# Altium PCB DM3390.PcbDoc (part 1 of 5) (continued)
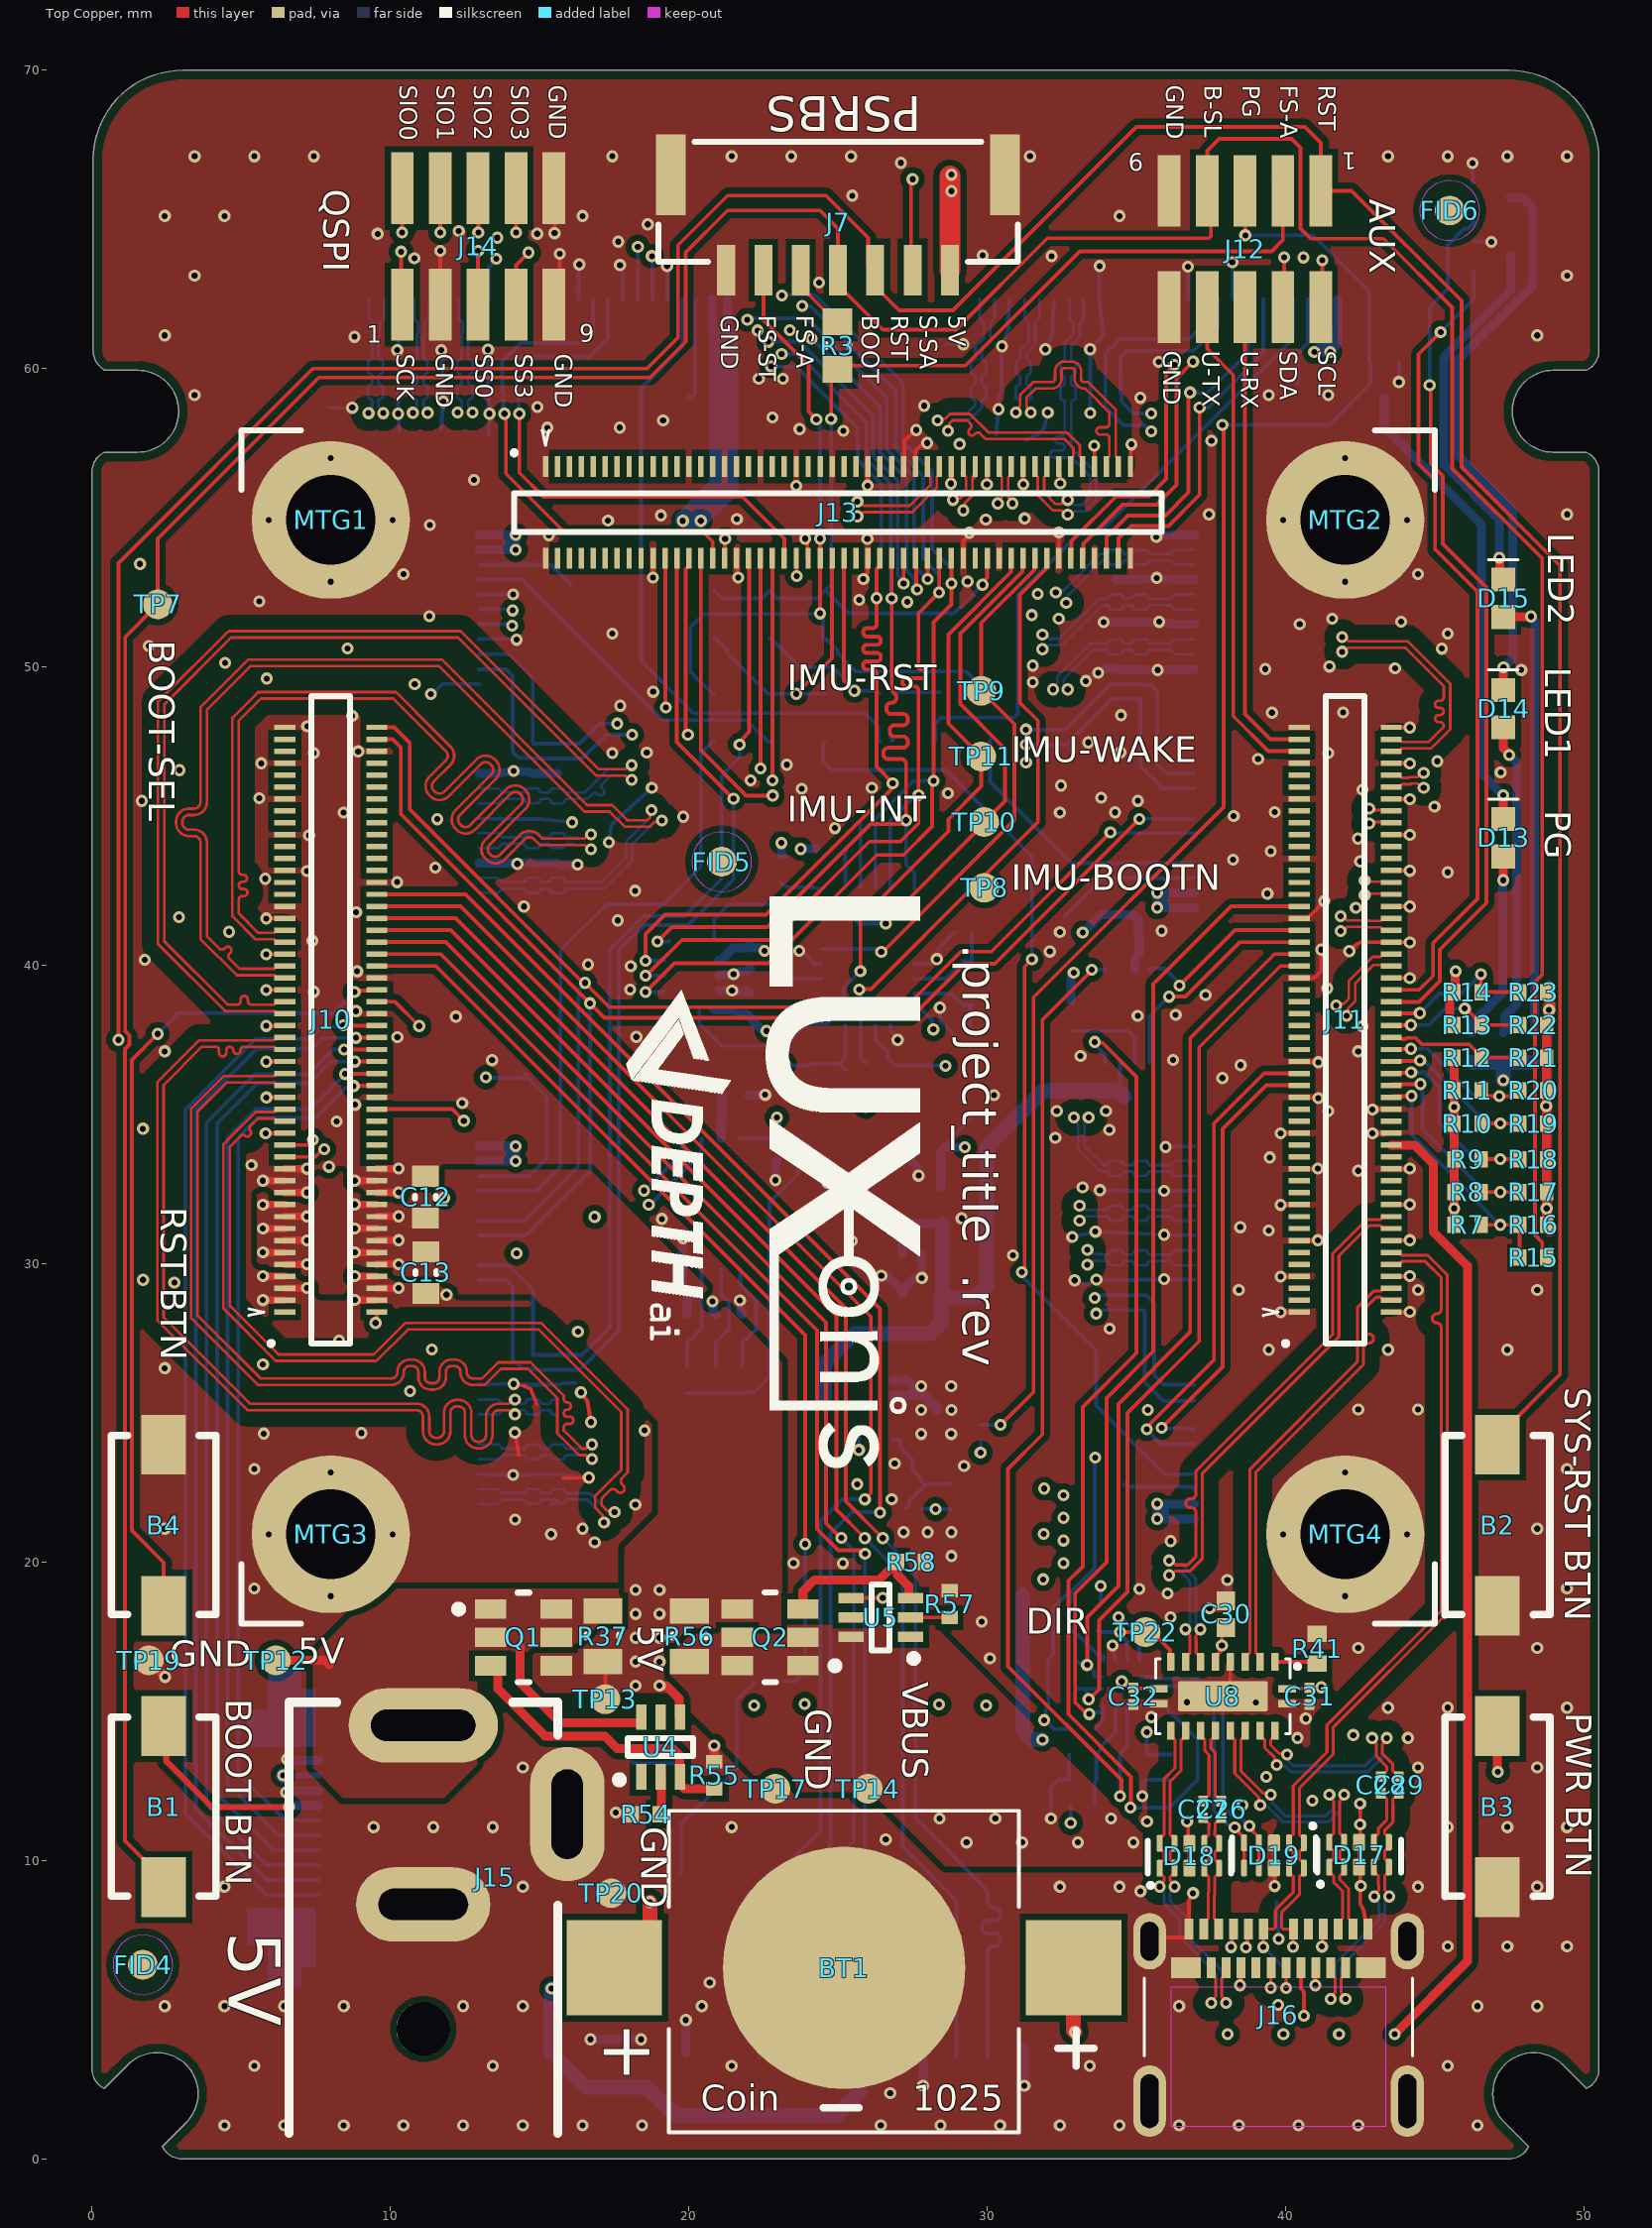
[diagram p0: Top Copper view]
## Classes and differential pairs
net class SPI1: BNO08x_CIPO_1V8 BNO08x_COPI_1V8 BNO08x_CS_1V8 BNO08x_SCK_1V8 SPI_SIO2 SPI_SIO3 SPI_SS_0
differential pair class USB3: RXB RXC TXB TXB1 TXC TXC1 USB_D USB_RX USB_TX
differential pair class 100ohm: MIPI_RX0__C MIPI_RX0__D0 MIPI_RX0__D1 MIPI_RX0_C MIPI_RX0_D0 MIPI_RX0_D1 MIPI_RX1_C MIPI_RX1_D0 MIPI_RX1_D1 MIPI_RX1C MIPI_RX1D0 MIPI_RX1D1 MIPI_RX2_C MIPI_RX2_D0 MIPI_RX2_D1 MIPI_RX3_C MIPI_RX3_D0 MIPI_RX3_D1 MIPI_RX4_C MIPI_RX4_D0 MIPI_RX4_D1 MIPI_RX5_C MIPI_RX5_D0 MIPI_RX5_D1
differential pair class 90ohm: USB_D USB_RX USB_TX
net class SDIO: SD_HST0_CLK SD_HST0_CMD SD_HST0_D0 SD_HST0_D1 SD_HST0_D2 SD_HST0_D3
net class Power_trace: 1V8 3V3 5V GND LX1 NetJ15_1 VBUS
net class MIPI_CAM_C2: MIPI_RX3_C_N MIPI_RX3_C_P MIPI_RX3_D0_N MIPI_RX3_D0_P MIPI_RX3_D1_N MIPI_RX3_D1_P
net class MIPI_CAM_C1: MIPI_RX2_C_N MIPI_RX2_C_P MIPI_RX2_D0_N MIPI_RX2_D0_P MIPI_RX2_D1_N MIPI_RX2_D1_P
net class MIPI_CAM_B2: MIPI_RX1_C_N MIPI_RX1_C_P MIPI_RX1_D0_N MIPI_RX1_D0_P MIPI_RX1_D1_N MIPI_RX1_D1_P
net class MIPI_CAM_B1: MIPI_RX0__C_N MIPI_RX0__C_P MIPI_RX0__D0_N MIPI_RX0__D0_P MIPI_RX0__D1_N MIPI_RX0__D1_P
net class MIPI_CAM_A2: MIPI_RX5_C_N MIPI_RX5_C_P MIPI_RX5_D0_N MIPI_RX5_D0_P MIPI_RX5_D1_N MIPI_RX5_D1_P
net class MIPI_CAM_A1: MIPI_RX4_C_N MIPI_RX4_C_P MIPI_RX4_D0_N MIPI_RX4_D0_P MIPI_RX4_D1_N MIPI_RX4_D1_P
component class U_DM3390_USB: C24 C25 C26 C27 C28 C29 C30 C31 C32 C33 C34 C35 C36 D17 D18 D19 J16 R40 R41 R42 R43 R44 R45 R46 R47 R48 R49 R50 R51 R52 R53 TP22 U8 U9 U10
component class U_DM3390_Power_Supply: C12 C13 C15 C16 C17 C18 C19 C20 C21 C22 C23 J15 L1 Q1 Q2 R37 R38 R39 R54 R55 R56 R57 R58 TP12 TP13 TP14 TP15 TP16 TP17 TP18 TP19 TP20 U4 U5 U6 U7
component class U_DM3390_IMU: C3 C4 C5 C6 C7 C8 C9 C10 C11 R34 R35 R36 TP8 TP9 TP10 TP11 U2 U3 Y1
component class U_DM3390_EEPROM: C2 R27 R28 R29 R30 R31 R32 R33 U1
component class U_DM3390_Connector_C: J13 J14
component class U_DM3390_Connector_B: D14 D15 J11 J12 M2 M3 R25 R26
component class U_DM3390_Connector_A: B2 B3 B4 BT1 D13 J10 M1 R24
component class U_DM3390_CAM_FFC_MIPI_2LANE: J1 J2 J3 J4 J5 J6 J7 R1 R2 R3 R4 R59 R60 R61 R62 R63 R64 TP1 TP2 TP3 TP4 TP5 TP6
component class U_DM3390_CAM_FFC_ESD_AUX: D1 D2 D3 D4 D5 D6 D7 D8 D9 D10 D11 D12
component class U_DM3390_BOOT_JTAG_SD: B1 C1 J8 J9 R5 R6 R7 R8 R9 R10 R11 R12 R13 R14 R15 R16 R17 R18 R19 R20 R21 R22 R23 TP7
component class DM3390_TopLevel: FID1 FID2 FID3 FID4 FID5 FID6 MTG1 MTG2 MTG3 MTG4
differential pair MIPI_RX1_D1: +MIPI_RX1_D1_P -MIPI_RX1_D1_N
differential pair MIPI_RX1_D0: +MIPI_RX1_D0_P -MIPI_RX1_D0_N
differential pair MIPI_RX1_C: +MIPI_RX1_C_P -MIPI_RX1_C_N
differential pair MIPI_RX0__D1: +MIPI_RX0__D1_P -MIPI_RX0__D1_N
differential pair MIPI_RX0__D0: +MIPI_RX0__D0_P -MIPI_RX0__D0_N
differential pair MIPI_RX0__C: +MIPI_RX0__C_P -MIPI_RX0__C_N
differential pair USB_TX: +USB_TX_P -USB_TX_N
differential pair USB_RX: +USB_RX_P -USB_RX_N
differential pair USB_D: +USB_D_P -USB_D_N
differential pair TXC: +TXC_P -TXC_N
differential pair TXC1: +TXC1_P -TXC1_N
differential pair TXB: +TXB_P -TXB_N
differential pair TXB1: +TXB1_P -TXB1_N
differential pair RXC: +RXC_P -RXC_N
differential pair RXB: +RXB_P -RXB_N
differential pair MIPI_RX5_D1: +MIPI_RX5_D1_P -MIPI_RX5_D1_N
differential pair MIPI_RX5_D0: +MIPI_RX5_D0_P -MIPI_RX5_D0_N
differential pair MIPI_RX5_C: +MIPI_RX5_C_P -MIPI_RX5_C_N
differential pair MIPI_RX4_D1: +MIPI_RX4_D1_P -MIPI_RX4_D1_N
differential pair MIPI_RX4_D0: +MIPI_RX4_D0_P -MIPI_RX4_D0_N
differential pair MIPI_RX4_C: +MIPI_RX4_C_P -MIPI_RX4_C_N
differential pair MIPI_RX3_D1: +MIPI_RX3_D1_P -MIPI_RX3_D1_N
differential pair MIPI_RX3_D0: +MIPI_RX3_D0_P -MIPI_RX3_D0_N
differential pair MIPI_RX3_C: +MIPI_RX3_C_P -MIPI_RX3_C_N
differential pair MIPI_RX2_D1: +MIPI_RX2_D1_P -MIPI_RX2_D1_N
differential pair MIPI_RX2_D0: +MIPI_RX2_D0_P -MIPI_RX2_D0_N
differential pair MIPI_RX2_C: +MIPI_RX2_C_P -MIPI_RX2_C_N

## Components (designator, comment, footprint, x,y, rotation, side; value= is the part's Value field where it differs from the comment)
B1 "Off-Mom, 50mA" DTSM-32N-V 2.4,11.8 r270 top
B2 "Off-Mom, 50mA" DTSM-32N-V 47.1,21.237 r90 top
B3 "Off-Mom, 50mA" DTSM-32N-V 47.1,11.8 r90 top
B4 "Off-Mom, 50mA" DTSM-32N-V 2.4,21.237 r270 top
BT1 "BK-870" MPD_BK-870 25.2,6.4 r0 top
C1 "4.7uF 0603" CAPC0603(1608)100_N 17.6,3.2 r270 bottom
C2 "0.1uF 0402" CAPC0402(1005)70_L 22.95,33.85 r90 bottom
C3 "10uF 0603" CAPC0603(1608)100_L 27.85,35.95 r90 bottom
C4 "0.1uF 0402" CAPC0402(1005)70_L 26.85,36.3 r90 bottom
C5 "10uF 0603" CAPC0603(1608)100_L 24,35.95 r90 bottom
C6 "0.1uF 0402" CAPC0402(1005)70_L 25.05,36.3 r90 bottom
C7 "0.1uF 0402" CAPC0402(1005)70_L 23.1,39.95 r90 bottom
C8 "18pF 0201" CAPC0201(0603)33_L 29.2,41.1 r0 bottom
C9 "18pF 0201" CAPC0201(0603)33_L 29.15,37.7 r0 bottom
C10 "0.1uF 0402" CAPC0402(1005)70_L 22.05,38.65 r270 bottom
C11 "0.1uF 0402" CAPC0402(1005)70_L 22.05,40.3 r90 bottom
C12 "22uF 0603" CAPC0603(1608)100_L 11.176,32.231 r270 top
C13 "22uF 0603" CAPC0603(1608)100_L 11.187,29.701 r90 top
C15 "2.2uF 0402" CAPC0402(1005)70_L 25.9,25.8 r90 bottom
C16 "22uF 0603" CAPC0603(1608)100_L 25.7,23.8 r270 bottom
C17 "22uF 0603" CAPC0603(1608)100_L 30.5,22.5 r180 bottom
C18 "22uF 0603" CAPC0603(1608)100_L 30.5,21.3 r180 bottom
C19 "22uF 0603" CAPC0603(1608)100_L 30.494,20.118 r180 bottom
C20 "22uF 0603" CAPC0603(1608)100_L 30.5,18.9 r180 bottom
C21 "33pF 0201" CAPC0201(0603)33_L 27.55,21.8 r0 bottom
C22 "10uF 0603" CAPC0603(1608)100_L 27.85,29 r0 bottom
C23 "10uF 0603" CAPC0603(1608)100_L 27.85,33.85 r0 bottom
C24 "10uF 0402" CAPC0402(1005)70_N 38.7,2.7 r90 bottom
C25 "10uF 0402" CAPC0402(1005)70_N 40.05,2.7 r90 bottom
C26 "0.1uF 0201" CAPC0201(0603)33_L 37.842,11.707 r90 top
C27 "0.1uF 0201" CAPC0201(0603)33_L 37.231,11.707 r90 top
C28 "0.1uF 0201" CAPC0201(0603)33_L 43.193,12.53 r90 top
C29 "0.1uF 0201" CAPC0201(0603)33_L 43.793,12.53 r90 top
C30 "10uF 0402" CAPC0402(1005)70_N 38,18.25 r270 top
C31 "0.1uF 0201" CAPC0201(0603)33_L 40.8,15.5 r90 top
C32 "0.1uF 0201" CAPC0201(0603)33_L 34.9,15.5 r90 top
C33 "1uF 0402" CAPC0402(1005)70_L 33.2,11.85 r0 bottom
C34 "10uF 0402" CAPC0402(1005)70_L 35.1,18.2 r270 bottom
C35 "0.1uF 0402" CAPC0402(1005)70_L 34.7,41 r0 bottom
C36 "0.1uF 0402" CAPC0402(1005)70_L 35,35.6 r180 bottom
D1 "TPD4E02B04DQAR" TPD4E02B04DQAR 15.195,25.945 r270 bottom locked
D2 "TPD4E02B04DQAR" TPD4E02B04DQAR 15.184,46.43 r270 bottom locked
D3 "TPD4E02B04DQAR" TPD4E02B04DQAR 13.248,59.639 r180 bottom locked
D4 "TPD4E02B04DQAR" TPD4E02B04DQAR 15.195,22.945 r270 bottom locked
D5 "TPD4E02B04DQAR" TPD4E02B04DQAR 15.184,43.43 r270 bottom locked
D6 "TPD4E02B04DQAR" TPD4E02B04DQAR 10.248,59.639 r180 bottom locked
D7 "TPD4E02B04DQAR" TPD4E02B04DQAR 34.721,49.93 r90 bottom locked
D8 "TPD4E02B04DQAR" TPD4E02B04DQAR 34.731,29.445 r90 bottom locked
D9 "TPD4E02B04DQAR" TPD4E02B04DQAR 33.46,59.598 r180 bottom locked
D10 "TPD4E02B04DQAR" TPD4E02B04DQAR 34.729,52.93 r90 bottom locked
D11 "TPD4E02B04DQAR" TPD4E02B04DQAR 34.731,32.445 r90 bottom locked
D12 "TPD4E02B04DQAR" TPD4E02B04DQAR 30.46,59.619 r180 bottom locked
D13 "GREEN 0603" SML_D1xx8W 47.3,44.275 r270 top
D14 "WHITE 0603" SML_D1xx8W 47.3,48.6 r270 top
D15 "BLUE 0603" SML_D1xx8W 47.3,52.3 r270 top
D17 "TPD4E02B04DQAR" TPD4E02B04DQAR 42.467,10.188 r0 top
D18 "TPD4E02B04DQAR" TPD4E02B04DQAR 36.775,10.152 r0 top
D19 "TPD4E02B04DQAR" TPD4E02B04DQAR 39.611,10.164 r180 top
FID1 "FIDUCIAL_ROUND_1MM" FIDUCIAL_ROUND_1MM 5.2,61.2 r90 bottom
FID2 "FIDUCIAL_ROUND_1MM" FIDUCIAL_ROUND_1MM 39.1,52.1 r90 bottom
FID3 "FIDUCIAL_ROUND_1MM" FIDUCIAL_ROUND_1MM 8.1,3.6 r90 bottom
FID4 "FIDUCIAL_ROUND_1MM" FIDUCIAL_ROUND_1MM 1.7,6.5 r90 top
FID5 "FIDUCIAL_ROUND_1MM" FIDUCIAL_ROUND_1MM 21.103,43.472 r90 top
FID6 "FIDUCIAL_ROUND_1MM" FIDUCIAL_ROUND_1MM 45.5,65.3 r90 top
J1 "FLEX CONNECTOR, 0.50MM PITCH, HE" F32R-1A7H1-11026 12.285,48.18 r90 bottom locked
J2 "FLEX CONNECTOR, 0.50MM PITCH, HE" F32R-1A7H1-11026 15.037,63 r0 bottom locked
J3 "FLEX CONNECTOR, 0.50MM PITCH, HE" F32R-1A7H1-11026 12.285,27.695 r90 bottom locked
J4 "FLEX CONNECTOR, 0.50MM PITCH, HE" F32R-1A7H1-11026 37.611,48.18 r270 bottom locked
J5 "FLEX CONNECTOR, 0.50MM PITCH, HE" F32R-1A7H1-11026 37.611,27.695 r270 bottom locked
J6 "FLEX CONNECTOR, 0.50MM PITCH, HE" F32R-1A7H1-11026 35.5,63 r0 bottom locked
J7 "SM07B-GHS-TB" SM07B-GHS-TB 25,64.9 r180 top
J8 "SFV10R-2STE1HLF Top Contact" SFV10R-2STE1HLF 7.1,11.1 r90 bottom
J9 "uSD push/pull" 104031-0811 25.482,8.821 r180 bottom
J10 "DF40C-100DP-0.4V Header" CON_A_SoM-MAX_DF40HC-3.0-100DS-0.4V_minpad 25,37.931 r0 top locked
J11 "DF40C-100DP-0.4V Header" CON_B_SoM-MAX_DF40HC-3.0-100DS-0.4V_minpad 25,37.931 r0 top locked
J12 "20021121-00010T1LF" 20021121-00010T1LF 38.642,64.009 r180 top
J13 "DF40C-100DP-0.4V Header" CON_C_SoM-MAX_DF40HC-3.0-100DS-0.4V_minpad 25,37.931 r0 top locked
J14 "20021121-00010T1LF" 20021121-00010T1LF 12.937,64.097 r0 top
J15 "PJ-050AH or NEB21R" PJ-050AH/NEB21R_COMBO 11.1,8.5 r0 top
J16 "USB3.1 TYPEC 24P SMD RA" 105450-0101 39.762,7.049 r0 top
L1 "1uH, 3.2A, 20%" DFE252012P-1R0M=P2 31.688,24.675 r270 bottom
M1 "RE1C002UNTCL" RE1C002UNTCL 43.3,59.599 r0 bottom
M2 "RE1C002UNTCL" RE1C002UNTCL 46.921,65.726 r90 bottom
M3 "RE1C002UNTCL" RE1C002UNTCL 46.921,63.776 r90 bottom
MTG1 "M2, 3MM steel spacer on M2.5 mounting pad" 9774030243R 8,54.931 r90 top
MTG2 "M2, 3MM steel spacer on M2.5 mounting pad" 9774030243R 42,54.931 r90 top
MTG3 "M2, 3MM steel spacer on M2.5 mounting pad" 9774030243R 8,20.931 r180 top
MTG4 "M2, 3MM steel spacer on M2.5 mounting pad" 9774030243R 42,20.931 r180 top
Q1 "IRLTS2242TRPBF" TSOP-6-MFG 14.457,17.472 r0 top
Q2 "IRLTS2242TRPBF" TSOP-6-MFG 22.725,17.473 r180 top
R1 "0R 0603" RESC0603(1608)_N 24.55,51.75 r270 bottom
R2 "0R 0603" RESC0603(1608)_N 20.85,51.75 r270 bottom
R3 "0R 0603" RESC0603(1608)_N 24.98,60.77 r90 top
R4 "0R 0603" RESC0603(1608)_N 22.7,51.75 r270 bottom
R5 "0R 0402" RESC0402(1005)_N 22.676,15.992 r0 bottom
R6 "0R 0402" RESC0402(1005)_N 18.1,12.8 r90 bottom
R7 "1K 0402" RESC0402(1005)_L 46.1,31.3 r180 top
R8 "1K 0402" RESC0402(1005)_L 46.1,32.4 r180 top
R9 "1K 0402" RESC0402(1005)_L 46.1,33.5 r180 top
R10 "1K 0402" RESC0402(1005)_L 46.1,34.7 r180 top
R11 "1K 0402" RESC0402(1005)_L 46.1,35.8 r180 top
R12 "1K 0402" RESC0402(1005)_L 46.1,36.9 r180 top
R13 "1K 0402" RESC0402(1005)_L 46.1,38 r180 top
R14 "1K 0402" RESC0402(1005)_L 46.1,39.1 r180 top
R15 "0R 0402" RESC0402(1005)_L 48.3,30.2 r0 top
R16 "10K 0402" RESC0402(1005)_L 48.3,31.3 r0 top
R17 "10K 0402" RESC0402(1005)_L 48.3,32.4 r0 top
R18 "10K 0402" RESC0402(1005)_L 48.3,33.5 r0 top
R19 "10K 0402" RESC0402(1005)_L 48.3,34.7 r0 top
R20 "10K 0402" RESC0402(1005)_L 48.3,35.8 r0 top
R21 "10K 0402" RESC0402(1005)_L 48.3,36.9 r0 top
R22 "10K 0402" RESC0402(1005)_L 48.3,38 r0 top
R23 "10K 0402" RESC0402(1005)_L 48.3,39.1 r0 top
R24 "1K 0402" RESC0402(1005)_N 46.25,37.25 r270 bottom
R25 "1K 0402" RESC0402(1005)_N 47.3,37.25 r270 bottom
R26 "1K 0402" RESC0402(1005)_N 48.35,37.25 r270 bottom
R27 "10K 0402" RESC0402(1005)_L 21.8,26.1 r270 bottom
R28 "10K 0402" RESC0402(1005)_L 20.9,26.1 r270 bottom
R29 "10K 0402" RESC0402(1005)_L 19.95,26.1 r270 bottom
R30 "1K 0402" RESC0402(1005)_L 21.55,35.65 r180 bottom
R31 "10K 0402" RESC0402(1005)_L 21.8,27.85 r270 bottom
R32 "10K 0402" RESC0402(1005)_L 20.9,27.85 r270 bottom
R33 "10K 0402" RESC0402(1005)_L 19.95,27.85 r270 bottom
R34 "10K 0402" RESC0402(1005)_L 25.95,36.3 r270 bottom
R35 "2.2K 0402" RESC0402(1005)_L 23.1,43.2 r270 bottom
R36 "2.2K 0402" RESC0402(1005)_L 24.7,43.9 r0 bottom
R37 "0R 0805" RESC0805(2012)_L 17.117,17.512 r270 top
R38 "90.9K 0402" RESC0402(1005)_L 28.8,22.2 r270 bottom
R39 "20K 0402" RESC0402(1005)_L 27.45,22.6 r0 bottom
R40 "10K 0402" RESC0402(1005)_N 41.3,2.7 r90 bottom
R41 "10K 0402" RESC0402(1005)_N 41.05,17.1 r90 top
R42 "10K 0402" RESC0402(1005)_L 33.8,18.2 r90 bottom
R43 "10K 0402" RESC0402(1005)_L 36.6,13.55 r180 bottom
R44 "10K 0402" RESC0402(1005)_L 34.9,13.55 r0 bottom
R45 "10K 0402" RESC0402(1005)_L 36.6,12.7 r180 bottom
R46 "10K 0402" RESC0402(1005)_L 34.9,12.7 r0 bottom
R47 "1.8MR 0402" RESC0402(1005)_L 33.2,12.7 r0 bottom
R48 "1.8MR 0402" RESC0402(1005)_L 33.2,13.55 r0 bottom
R49 "10K 0402" RESC0402(1005)_L 32.8,18.2 r90 bottom
R50 "10K 0402" RESC0402(1005)_L 33.2,14.4 r180 bottom
R51 "10K 0402" RESC0402(1005)_L 32.5,15.85 r180 bottom
R52 "10K 0402" RESC0402(1005)_L 32.5,16.75 r180 bottom
R53 "10K 0402" RESC0402(1005)_N 32.8,38.3 r90 bottom
R54 "100K 0402" RESC0402(1005)_L 18.55,11.55 r0 top
R55 "1M 0402" RESC0402(1005)_L 20.85,12.85 r270 top
R56 "0R 0805" RESC0805(2012)_L 20.018,17.512 r90 top
R57 "100K 0402" RESC0402(1005)_L 28.741,18.587 r270 top
R58 "1M 0402" RESC0402(1005)_L 27.446,20.006 r180 top
R59 "0R 0603" RESC0603(1608)_N 22.7,48.3 r270 bottom
R60 "0R 0603" RESC0603(1608)_N 26.4,48.3 r270 bottom
R61 "0R 0603" RESC0603(1608)_N 20.85,48.3 r270 bottom
R62 "0R 0603" RESC0603(1608)_N 30.1,48.3 r270 bottom
R63 "0R 0603" RESC0603(1608)_N 24.55,48.3 r270 bottom
R64 "0R 0603" RESC0603(1608)_N 28.25,48.3 r270 bottom
TP1 "TP100_200_NS" TP100_200_NS 16.1,52.9 r0 bottom
TP2 "TP100_200_NS" TP100_200_NS 20.05,59 r270 bottom
TP3 "TP100_200_NS" TP100_200_NS 14.5,36.2 r270 bottom
TP4 "TP100_200_NS" TP100_200_NS 34.6,22.6 r0 bottom
TP5 "TP100_200_NS" TP100_200_NS 40.4,59.5 r270 bottom
TP6 "TP100_200_NS" TP100_200_NS 32.85,42 r270 bottom
TP7 "TP100_200_NS" TP100_200_NS 2.2,52.1 r270 top
TP8 "TP100_200_NS" TP100_200_NS 29.9,42.6 r270 top
TP9 "TP100_200_NS" TP100_200_NS 29.8,49.2 r270 top
TP10 "TP100_200_NS" TP100_200_NS 29.9,44.8 r0 top
TP11 "TP100_200_NS" TP100_200_NS 29.8,47 r0 top
TP12 "TP100_200_NS" TP100_200_NS 6.16,16.7 r270 top
TP13 "TP100_200_NS" TP100_200_NS 17.2,15.4 r270 top
TP14 "TP100_200_NS" TP100_200_NS 26,12.4 r270 top
TP15 "TP075_150_NS" TP075_150_NS 31.2,17.573 r270 bottom
TP16 "TP100_200_NS" TP100_200_NS 29.45,34.9 r270 bottom
TP17 "TP100_200_NS" TP100_200_NS 22.9,12.4 r270 top
TP18 "TP100_200_NS" TP100_200_NS 30.7,36.7 r180 bottom
TP19 "TP100_200_NS" TP100_200_NS 1.9,16.7 r270 top
TP20 "TP100_200_NS" TP100_200_NS 17.4,8.9 r0 top
TP22 "TP100_200_NS" TP100_200_NS 35.308,17.65 r270 top
U1 "24AA32A-I/MS 8-MSOP" 24AA32A-I/MS 20.75,32 r90 bottom
U2 "BNO085" BNO085 26,40.3 r0 bottom
U3 "BMI270" XDCR_BMI270 20.1,39.662 r270 bottom
U4 "Ideal diode controller" DZDH0401DW 19.05,13.8 r90 top
U5 "Ideal diode controller" DZDH0401DW 26.432,18.142 r180 top
U6 "TPS51313DRCR" VSON-TPS51313DRCR 28.316,25.087 r0 bottom
U7 "TLV70018DCK" TLV70018DCK 27.8,31.45 r180 bottom
U8 "USB Type-C Switch" CBTL02043A 37.9,15.5 r270 top
U9 "USB Type-C Port Control" TUSB321RWBR 34.5,15.95 r90 bottom
U10 "TXS0102DCU" TXS0102DCUR 34.7,38.3 r270 bottom
Y1 "ABS06-127-32.768KHZ-T" ABS06-127-32.768KHZ-T 29.5,39.4 r90 bottom

## Footprints (in the part's own frame and the unit in brackets; to place one, negate y for a bottom-side part, rotate by r counter-clockwise, add the part's x,y. Pads: shape width x height; smd on the part's side, far side on the other; paste and mask are expansions set on the pad)
24AA32A-I/MS [mm] "Body: 3 x 3mm, pitch: 0.65mm"
  rect 1.4x0.35 smd mask+0.05: 1(-2.2,0.975)
  oval 1.4x0.35 smd mask+0.05: 2(-2.2,0.325) 3(-2.2,-0.325) 4(-2.2,-0.975) 5(2.2,-0.975) 6(2.2,-0.325) 7(2.2,0.325) 8(2.2,0.975)
  silkscreen extent -2.32,-1.5 1.2,1.73, body extent -2.45,-1.5 2.45,1.5, height 1.15
104031-0811 [mm] "10 (8 + 2) Position Card Connector Secure Digital - microSD™ Surface Mount, Right Angle Gold"
  rect 0.85x1.1 smd: 1(3.113,-5.412) 3(0.913,-5.412) 4(-0.188,-5.412) 5(-1.288,-5.412) 6(-2.387,-5.412) 7(-3.487,-5.412)
  rect 0.875x1.1 smd: 2(2.013,-5.412)
  rect 0.75x1.1 smd: 8(-4.537,-5.412)
  rect 1.2x1 smd: 9(5.748,0.738) 10(5.748,4.438)
  rect 1.9x1.35 smd: 11(2.248,5.413) 12(-3.722,5.413)
  rect 1.17x1.8 smd: 13(-5.747,-5.062)
  rect 1.55x1.35 smd: 14(5.573,-5.287)
  body extent -5.95,-5.65 6,5.75, height 1.44
105450-0101 [mm] "USB3.1 Type-C Molex SMT, RA, TH"
  rect 0.3x0.7 smd mask+0.05: A1(-3,0.65) A2(-2.5,0.65) A3(-2,0.65) A4(-1.5,0.65) A5(-1,0.65) A6(-0.5,0.65) A7(0.5,0.65) A8(1,0.65) A9(1.5,0.65) A10(2,0.65) A11(2.5,0.65) A12(3,0.65) B2(2.25,-0.65) B3(1.75,-0.65) B4(1.25,-0.65) B5(0.75,-0.65) B6(0.25,-0.65) B7(-0.25,-0.65) B8(-0.75,-0.65) B9(-1.25,-0.65) B10(-1.75,-0.65) B11(-2.25,-0.65)
  rect 1x0.7 smd mask+0.05: B1(3.1,-0.65) B12(-3.1,-0.65)
  oval 1.1x1.9 hole 0.6 slot 1.3 at 90 deg mask+0.05: SH1(-4.32,0.24) SH4(4.32,0.24)
  oval 1.1x2.4 hole 0.6 slot 1.8 at 90 deg mask+0.05: SH2(-4.32,-5.12) SH3(4.32,-5.12)
  Top Copper keep-out region: -3.6,-5.95 3.6,-5.95 3.6,-1.3 -3.6,-1.3
  silkscreen extent -4.5,-3.6 4.5,-1, body extent -4.47,-7.02 4.47,0.88, height 3.2
20021121-00010T1LF [mm] "Connector Header Surface Mount 10 position 0.050\" (1.27mm)   Contact length: 0.120\" (3.05mm)"
  rect 0.76x2.4 smd: 1(-2.54,-1.95) 2(-2.54,1.95) 3(-1.27,-1.95) 4(-1.27,1.95) 5(0,-1.95) 6(0,1.95) 7(1.27,-1.95) 8(1.27,1.95) 9(2.54,-1.95) 10(2.54,1.95)
  body extent -3.18,-2.75 3.17,2.75, height 4.55
9774030243R [mm] "STANDOFF_M2X0.4_3MM with no pad on bottom of PCB"
  round 5.3 / inner round 2.7 / far side round 2.7 hole 3 mask+0.05: 1(0,0)
  body extent -2.17,-2.17 2.18,2.17, height 3.05
ABS06-127-32.768KHZ-T [mm] "2-SMD 0.079\" L x 0.047\" W (2.00mm x 1.20mm)"
  rect 0.75x1.4 smd: 1(-0.73,0) 2(0.73,0)
  body extent -1,-0.6 1,0.6, height 0.65
BNO085 [mm] "28-TFLGA Module (5.2x3.8)"
  rect 0.675x0.25 smd paste+0 mask+0: 1(1.562,2.25) 6(-1.562,2.25) 7(-1.562,1.75) 8(-1.562,1.25) 9(-1.562,0.75) 10(-1.562,0.25) 11(-1.562,-0.25) 12(-1.562,-0.75) 13(-1.562,-1.25) 14(-1.562,-1.75) 15(-1.562,-2.25) 20(1.562,-2.25) 21(1.562,-1.75) 22(1.562,-1.25) 23(1.562,-0.75) 24(1.562,-0.25) 25(1.562,0.25) 26(1.562,0.75) 27(1.562,1.25) 28(1.562,1.75)
  rect 0.25x0.575 smd paste+0 mask+0: 2(0.75,2.312) 3(0.25,2.312) 4(-0.25,2.312) 5(-0.75,2.312) 16(-0.75,-2.312) 17(-0.25,-2.312) 18(0.25,-2.312) 19(0.75,-2.312)
  silkscreen extent -2.3,-3.08 3.05,3.08, body extent -1.9,-2.6 1.9,2.6, height 1.18
CAPC0201(0603)33_L [mm] "Chip Capacitor, Body 0.6x0.3mm, Height 0.33mm, IPC High Density"
  rect 0.36x0.32 smd: 1(-0.28,0) 2(0.28,0)
  body extent -0.32,-0.17 0.32,0.17, height 0.33
CAPC0402(1005)70_L [mm] "Chip Capacitor, Body 1.0x0.5mm, Height 0.7mm, IPC High Density"
  rect 0.52x0.52 smd: 1(-0.4,0) 2(0.4,0)
  body extent -0.55,-0.3 0.55,0.3, height 0.7
CAPC0402(1005)70_N [mm] "Chip Capacitor, Body 1.0x0.5mm, Height 0.7mm, IPC Medium Density"
  rect 0.62x0.62 smd: 1(-0.45,0) 2(0.45,0)
  body extent -0.55,-0.3 0.55,0.3, height 0.7
CAPC0603(1608)100_L [mm] "Chip Capacitor, Body 1.6x0.8mm, Height 1.0mm, IPC High Density"
  rect 0.7x0.9 smd: 1(-0.7,0) 2(0.7,0)
  silkscreen extent -0.05,-0.35 0.05,0.35, body extent -0.87,-0.47 0.88,0.48, height 1
CAPC0603(1608)100_N [mm] "Chip Capacitor, Body 1.6x0.8mm, Height 1.0mm, IPC Medium Density"
  rect 0.9x1 smd: 1(-0.8,0) 2(0.8,0)
  silkscreen extent -0.05,-0.4 0.05,0.4, body extent -0.87,-0.48 0.88,0.47, height 1
CBTL02043A [mm] "VQFN-20"
  rrect20% 0.25x0.6 smd mask+0.07: 1(-0.25,2.15) 10(-0.25,-2.15) 11(0.25,-2.15) 20(0.25,2.15)
  rrect20% 0.6x0.25 smd mask+0.07: 2(-1.15,1.75) 3(-1.15,1.25) 4(-1.15,0.75) 5(-1.15,0.25) 6(-1.15,-0.25) 7(-1.15,-0.75) 8(-1.15,-1.25) 9(-1.15,-1.75) 12(1.15,-1.75) 13(1.15,-1.25) 14(1.15,-0.75) 15(1.15,-0.25) 16(1.15,0.25) 17(1.15,0.75) 18(1.15,1.25) 19(1.15,1.75)
  rrect10% 1x3 smd paste-3 mask+0.07: 21(0,0)
  silkscreen extent -1.25,-2.25 1.25,2.53, body extent -1.25,-2.25 1.25,2.25, height 1
CON_A_SoM-MAX_DF40HC-3.0-100DS-0.4V_minpad [mm] "3.0MM MATED HEIGHT CONN HDR 100POS 0.4MM SMD GOLD"
  rect 0.7x0.18 smd: 1(-18.54,-9.553) 2(-15.46,-9.553) 3(-18.54,-9.153) 4(-15.46,-9.153) 5(-18.54,-8.753) 6(-15.46,-8.753) 7(-18.54,-8.353) 8(-15.46,-8.353) 9(-18.54,-7.953) 10(-15.46,-7.953) 11(-18.54,-7.553) 12(-15.46,-7.553) 13(-18.54,-7.153) 14(-15.46,-7.153) 15(-18.54,-6.753) 16(-15.46,-6.753) 17(-18.54,-6.353) 18(-15.46,-6.353) 19(-18.54,-5.953) 20(-15.46,-5.953) 21(-18.54,-5.553) 22(-15.46,-5.553) 23(-18.54,-5.153) 24(-15.46,-5.153) 25(-18.54,-4.753) 26(-15.46,-4.753) 27(-18.54,-4.353) 28(-15.46,-4.353) 29(-18.54,-3.953) 30(-15.46,-3.953) 31(-18.54,-3.553) 32(-15.46,-3.553) 33(-18.54,-3.153) 34(-15.46,-3.153) 35(-18.54,-2.753) 36(-15.46,-2.753) 37(-18.54,-2.353) 38(-15.46,-2.353) 39(-18.54,-1.953) 40(-15.46,-1.953) 41(-18.54,-1.553) 42(-15.46,-1.553) 43(-18.54,-1.153) 44(-15.46,-1.153) 45(-18.54,-0.753) 46(-15.46,-0.753) 47(-18.54,-0.353) 48(-15.46,-0.353) 49(-18.54,0.047) 50(-15.46,0.047) 51(-18.54,0.447) 52(-15.46,0.447) 53(-18.54,0.847) 54(-15.46,0.847) 55(-18.54,1.247) 56(-15.46,1.247) 57(-18.54,1.647) 58(-15.46,1.647) 59(-18.54,2.047) 60(-15.46,2.047) 61(-18.54,2.447) 62(-15.46,2.447) 63(-18.54,2.847) 64(-15.46,2.847) 65(-18.54,3.247) 66(-15.46,3.247) 67(-18.54,3.647) 68(-15.46,3.647) 69(-18.54,4.047) 70(-15.46,4.047) 71(-18.54,4.447) 72(-15.46,4.447) 73(-18.54,4.847) 74(-15.46,4.847) 75(-18.54,5.247) 76(-15.46,5.247) 77(-18.54,5.647) 78(-15.46,5.647) 79(-18.54,6.047) 80(-15.46,6.047) 81(-18.54,6.447) 82(-15.46,6.447) 83(-18.54,6.847) 84(-15.46,6.847) 85(-18.54,7.247) 86(-15.46,7.247) 87(-18.54,7.647) 88(-15.46,7.647) 89(-18.54,8.047) 90(-15.46,8.047) 91(-18.54,8.447) 92(-15.46,8.447) 93(-18.54,8.847) 94(-15.46,8.847) 95(-18.54,9.247) 96(-15.46,9.247) 97(-18.54,9.647) 98(-15.46,9.647) 99(-18.54,10.047) 100(-15.46,10.047)
  silkscreen extent -20,-20 -16.35,20, body extent -20,-20 20,20, height 5.95
CON_B_SoM-MAX_DF40HC-3.0-100DS-0.4V_minpad [mm] "3.0MM MATED HEIGHT CONN HDR 100POS 0.4MM SMD GOLD"
  rect 0.7x0.18 smd: 1(15.46,-9.553) 2(18.54,-9.553) 3(15.46,-9.153) 4(18.54,-9.153) 5(15.46,-8.753) 6(18.54,-8.753) 7(15.46,-8.353) 8(18.54,-8.353) 9(15.46,-7.953) 10(18.54,-7.953) 11(15.46,-7.553) 12(18.54,-7.553) 13(15.46,-7.153) 14(18.54,-7.153) 15(15.46,-6.753) 16(18.54,-6.753) 17(15.46,-6.353) 18(18.54,-6.353) 19(15.46,-5.953) 20(18.54,-5.953) 21(15.46,-5.553) 22(18.54,-5.553) 23(15.46,-5.153) 24(18.54,-5.153) 25(15.46,-4.753) 26(18.54,-4.753) 27(15.46,-4.353) 28(18.54,-4.353) 29(15.46,-3.953) 30(18.54,-3.953) 31(15.46,-3.553) 32(18.54,-3.553) 33(15.46,-3.153) 34(18.54,-3.153) 35(15.46,-2.753) 36(18.54,-2.753) 37(15.46,-2.353) 38(18.54,-2.353) 39(15.46,-1.953) 40(18.54,-1.953) 41(15.46,-1.553) 42(18.54,-1.553) 43(15.46,-1.153) 44(18.54,-1.153) 45(15.46,-0.753) 46(18.54,-0.753) 47(15.46,-0.353) 48(18.54,-0.353) 49(15.46,0.047) 50(18.54,0.047) 51(15.46,0.447) 52(18.54,0.447) 53(15.46,0.847) 54(18.54,0.847) 55(15.46,1.247) 56(18.54,1.247) 57(15.46,1.647) 58(18.54,1.647) 59(15.46,2.047) 60(18.54,2.047) 61(15.46,2.447) 62(18.54,2.447) 63(15.46,2.847) 64(18.54,2.847) 65(15.46,3.247) 66(18.54,3.247) 67(15.46,3.647) 68(18.54,3.647) 69(15.46,4.047) 70(18.54,4.047) 71(15.46,4.447) 72(18.54,4.447) 73(15.46,4.847) 74(18.54,4.847) 75(15.46,5.247) 76(18.54,5.247) 77(15.46,5.647) 78(18.54,5.647) 79(15.46,6.047) 80(18.54,6.047) 81(15.46,6.447) 82(18.54,6.447) 83(15.46,6.847) 84(18.54,6.847) 85(15.46,7.247) 86(18.54,7.247) 87(15.46,7.647) 88(18.54,7.647) 89(15.46,8.047) 90(18.54,8.047) 91(15.46,8.447) 92(18.54,8.447) 93(15.46,8.847) 94(18.54,8.847) 95(15.46,9.247) 96(18.54,9.247) 97(15.46,9.647) 98(18.54,9.647) 99(15.46,10.047) 100(18.54,10.047)
  silkscreen extent 14.25,-20 20,11.1, body extent 15.31,-11.05 18.69,11.55, height 2.85
CON_C_SoM-MAX_DF40HC-3.0-100DS-0.4V_minpad [mm] "3.0MM MATED HEIGHT CONN HDR 100POS 0.4MM SMD GOLD"
  rect 0.18x0.7 smd: 1(-9.8,18.787) 2(-9.8,15.707) 3(-9.4,18.787) 4(-9.4,15.707) 5(-9,18.787) 6(-9,15.707) 7(-8.6,18.787) 8(-8.6,15.707) 9(-8.2,18.787) 10(-8.2,15.707) 11(-7.8,18.787) 12(-7.8,15.707) 13(-7.4,18.787) 14(-7.4,15.707) 15(-7,18.787) 16(-7,15.707) 17(-6.6,18.787) 18(-6.6,15.707) 19(-6.2,18.787) 20(-6.2,15.707) 21(-5.8,18.787) 22(-5.8,15.707) 23(-5.4,18.787) 24(-5.4,15.707) 25(-5,18.787) 26(-5,15.707) 27(-4.6,18.787) 28(-4.6,15.707) 29(-4.2,18.787) 30(-4.2,15.707) 31(-3.8,18.787) 32(-3.8,15.707) 33(-3.4,18.787) 34(-3.4,15.707) 35(-3,18.787) 36(-3,15.707) 37(-2.6,18.787) 38(-2.6,15.707) 39(-2.2,18.787) 40(-2.2,15.707) 41(-1.8,18.787) 42(-1.8,15.707) 43(-1.4,18.787) 44(-1.4,15.707) 45(-1,18.787) 46(-1,15.707) 47(-0.6,18.787) 48(-0.6,15.707) 49(-0.2,18.787) 50(-0.2,15.707) 51(0.2,18.787) 52(0.2,15.707) 53(0.6,18.787) 54(0.6,15.707) 55(1,18.787) 56(1,15.707) 57(1.4,18.787) 58(1.4,15.707) 59(1.8,18.787) 60(1.8,15.707) 61(2.2,18.787) 62(2.2,15.707) 63(2.6,18.787) 64(2.6,15.707) 65(3,18.787) 66(3,15.707) 67(3.4,18.787) 68(3.4,15.707) 69(3.8,18.787) 70(3.8,15.707) 71(4.2,18.787) 72(4.2,15.707) 73(4.6,18.787) 74(4.6,15.707) 75(5,18.787) 76(5,15.707) 77(5.4,18.787) 78(5.4,15.707) 79(5.8,18.787) 80(5.8,15.707) 81(6.2,18.787) 82(6.2,15.707) 83(6.6,18.787) 84(6.6,15.707) 85(7,18.787) 86(7,15.707) 87(7.4,18.787) 88(7.4,15.707) 89(7.8,18.787) 90(7.8,15.707) 91(8.2,18.787) 92(8.2,15.707) 93(8.6,18.787) 94(8.6,15.707) 95(9,18.787) 96(9,15.707) 97(9.4,18.787) 98(9.4,15.707) 99(9.8,18.787) 100(9.8,15.707)
  silkscreen extent -10.88,16.6 20,20, body extent -11.29,15.56 11.31,18.94, height 2.85
DFE252012P-1R0M=P2 [mm] "Chip Inductor, 2-Leads, Body 2.40x2.00mm, IPC High Density"
  rect 0.8x2 smd: 1(-1,0) 2(1,0)
  silkscreen extent -0.05,-0.9 0.05,0.9, body extent -1.25,-1.1 1.25,1.1, height 1.2
DTSM-32N-V [mm] "tactile button 160gf"
  rect 2x1.5 smd: 1(-2.7,0) 2(2.7,0)
  silkscreen extent -3.01,-1.76 3,1.75, body extent -3.65,-1.75 3.65,1.75, height 5
DZDH0401DW [mm] "SOT23, 6-Leads, Body 2.00x2.10mm, Pitch 0.65mm, IPC Medium Density"
  rect 0.85x0.35 smd: 1(-1,0.65) 2(-1,0) 3(-1,-0.65) 4(1,-0.65) 5(1,0) 6(1,0.65)
  silkscreen extent -1.22,-1.1 0.3,1.5, body extent -1.2,-1.07 1.2,1.07, height 1.1
F32R-1A7H1-11026 [mm] "26pin Molex FFC 0.5mm Bottom"
  rect 0.3x1.6 smd: 1(-6.25,0.675) 2(-5.75,0.675) 3(-5.25,0.675) 4(-4.75,0.675) 5(-4.25,0.675) 6(-3.75,0.675) 7(-3.25,0.675) 8(-2.75,0.675) 9(-2.25,0.675) 10(-1.75,0.675) 11(-1.25,0.675) 12(-0.75,0.675) 13(-0.25,0.675) 14(0.25,0.675) 15(0.75,0.675) 16(1.25,0.675) 17(1.75,0.675) 18(2.25,0.675) 19(2.75,0.675) 20(3.25,0.675) 21(3.75,0.675) 22(4.25,0.675) 23(4.75,0.675) 24(5.25,0.675) 25(5.75,0.675) 26(6.25,0.675)
  rect 2.4x2.4 smd: MP1(-8.35,-1.325) MP2(8.35,-1.325)
  silkscreen extent -8.49,1.45 8.49,2.44, body extent -10.16,-4.47 10.14,1.03, height 2.08
FIDUCIAL_ROUND_1MM [mm] "Round, 1mm dia"
  round 1 smd paste-1 mask+0.5: 1(0,0)
  Top Copper keep-out circle w0.025: c0,0 r1
MPD_BK-870 [mm]
  rect 3.2x3.2 smd: 1(-7.695,0) 3(7.695,0)
  round 8.13 smd: 2(0,0)
  silkscreen extent -5.86,-5.51 5.86,5.26, body extent -8.79,-5.39 8.79,5.39, height 3.18
PJ-050AH/NEB21R_COMBO [mm] "PJ-050AH or NEB21R 2.1mm ID, 5.5mm OD, 3pin, 2contact"
  oval 5x2.5 hole 1.05 slot 3.5 at 0 deg mask+0.05: 1(0,6.025)
  oval 2.5x4.5 hole 1.05 slot 3 at 90 deg mask+0.05: 2(4.825,3.05)
  oval 4.5x2.5 hole 1.05 slot 3 at 0 deg mask+0.05: 3(0,0.025)
  round 1.8 hole 1.8 unplated: ""(0,-4.15)
  silkscreen extent -4.5,-7.65 4.5,6.8, body extent -4.5,-7.65 5.2,6.85, height 11.05
RE1C002UNTCL [mm] "ROHM SOT-416FL"
  rect 0.3x0.71 smd: 1(-0.5,-0.61) 2(0.5,-0.61) 3(0,0.61)
  silkscreen extent -0.85,0.18 0.85,0.48, body extent -0.8,-0.8 0.8,0.8, height 0.75
RESC0402(1005)_L [mm] "Chip Resistor, Body 1.0x0.5mm, IPC High Density"
  rect 0.45x0.55 smd: 1(-0.45,0) 2(0.45,0)
  body extent -0.52,-0.27 0.53,0.28, height 0.4
RESC0402(1005)_N [mm] "Chip Resistor, Body 1.0x0.5mm, IPC Medium Density"
  rect 0.55x0.65 smd: 1(-0.5,0) 2(0.5,0)
  body extent -0.52,-0.27 0.53,0.28, height 0.4
RESC0603(1608)_N [mm] "Chip Resistor, Body 1.6x0.8mm, IPC Medium Density"
  rect 0.9x1 smd: 1(-0.8,0) 2(0.8,0)
  silkscreen extent -0.05,-0.4 0.05,0.4, body extent -0.85,-0.47 0.85,0.47, height 0.6
RESC0805(2012)_L [mm] "Chip Resistor, Body 2.0x1.3mm, IPC High Density"
  rect 0.85x1.3 smd: 1(-0.85,0) 2(0.85,0)
  silkscreen extent -0.05,-0.55 0.05,0.55, body extent -1.1,-0.67 1.1,0.68, height 0.7
SFV10R-2STE1HLF [mm] "CONN FFC TOP 10POS 0.50MM R/A"
  rect 0.305x1.405 smd: 1(-2.258,0.494) 1(-2.258,0.494) 2(-1.759,0.494) 3(-1.258,0.494) 4(-0.758,0.494) 5(-0.258,0.494) 6(0.242,0.494) 7(0.741,0.494) 8(1.242,0.494) 9(1.742,0.494) 10(2.242,0.494)
  rect 1x1 smd: 11(-3.707,-0.486) 12(3.708,-0.494)
  Top Copper region: 3.941,-1.905 2.691,-1.905 2.691,0.395 3.941,0.395
  Top Copper region: 5.341,-1.205 2.691,-1.205 2.691,-0.105 5.341,-0.105
  Top Copper region: 4.641,-1.205 2.691,-1.205 2.691,0.395 4.641,0.395
  Top Copper region: -4.658,0.395 -2.708,0.395 -2.708,-1.205 -4.658,-1.205
  Top Copper region: -5.358,-0.105 -2.708,-0.105 -2.708,-1.205 -5.358,-1.205
  Top Copper region: -3.958,0.395 -2.708,0.395 -2.708,-1.905 -3.958,-1.905
  body extent -5.26,-4.01 5.24,0.89, height 1.82
SM07B-GHS-TB [mm]
  rect 0.6x1.7 smd mask+0.05: 1(-3.75,1.6) 2(-2.5,1.6) 3(-1.25,1.6) 4(0,1.6) 5(1.25,1.6) 6(2.5,1.6) 7(3.75,1.6)
  rect 1x2.7 smd mask+0.05: MH1(-5.6,-1.6) MH2(5.6,-1.6)
  silkscreen extent -6.02,-2.7 6.02,1.31, body extent -6.03,-2.7 5.97,2.15, height 4.25
SML_D1xx8W [mm] "Rohm LED SML_D1 series - Chip Diode, 2-Leads, Body 1.60x0.80mm, IPC High Density"
  rect 0.8x0.8 smd: 1(-0.625,0) 2(0.625,0)
  silkscreen extent -1.3,-0.5 -1.3,0.5, body extent -0.8,-0.4 0.8,0.4, height 0.6
TLV70018DCK [mm] "SC70-5 1.1mm"
  rect 0.4x0.9 smd paste-0.025 mask+0.05: 1(-0.65,-1.1) 2(0,-1.1) 3(0.65,-1.1) 4(0.65,1.1) 5(-0.65,1.1)
  silkscreen extent -1.17,-1.63 -1.12,-1.57, body extent -1.1,-1.2 1.1,1.2, height 1.1
TP075_150_NS [mm] "0.75mm dia pad, 1.5mm dia clearance, no silk screen"
  round 0.75 smd paste-2: 1(0,0)
TP100_200_NS [mm] "1mm dia pad, 2mm dia clearance, no silk screen"
  round 1 smd paste-2: 1(0,0)
TPD4E02B04DQAR [mm] "TPD4E02B04DQAR"
  rrect50% 0.2x0.565 smd mask+0.07: 1(-1,-0.417) 2(-0.5,-0.417) 4(0.5,-0.417) 5(1,-0.417) 6(1,0.417) 7(0.5,0.417) 9(-0.5,0.417) 10(-1,0.417)
  rrect25% 0.4x0.565 smd mask+0.07: 3(0,-0.417) 8(0,0.417)
  silkscreen extent -1.4,-1.01 1.4,0.5, body extent -1.2,-0.71 1.2,0.71, height 0.55
TSOP-6-MFG [mm]
  rect 1.06x0.65 smd: 1(-1.1,0.95) 2(-1.1,0) 3(-1.1,-0.95) 4(1.1,-0.95) 5(1.1,0) 6(1.1,0.95)
  silkscreen extent -2.3,-1.5 0.2,1.5, body extent -1.73,-1.6 1.73,1.6, height 0.25
TUSB321RWBR [mm] "X2QFN-12 1.6x1.6"
  rrect50% 0.2x0.7 smd mask+0.05: 1(0.2,0.65) 2(-0.2,0.65) 7(-0.2,-0.65) 8(0.2,-0.65)
  rrect50% 0.5x0.2 smd mask+0.05: 3(-0.75,0.6) 4(-0.75,0.2) 5(-0.75,-0.2) 6(-0.75,-0.6) 9(0.75,-0.6) 10(0.75,-0.2) 11(0.75,0.2) 12(0.75,0.6)
  silkscreen extent 0.57,0.97 0.63,1.03, body extent -0.8,-0.8 0.8,0.8, height 0.4
TXS0102DCUR [mm] "TSSOP, 8-Leads, Body 2.00x2.30mm, Pitch 0.50mm"
  rect 0.8x0.3 smd mask+0.05: 1(-1.55,0.75) 2(-1.55,0.25) 3(-1.55,-0.25) 4(-1.55,-0.75) 5(1.55,-0.75) 6(1.55,-0.25) 7(1.55,0.25) 8(1.55,0.75)
  silkscreen extent -1.7,-1.05 0.8,1.55, body extent -1.55,-1.05 1.55,1.05, height 0.9
VSON-TPS51313DRCR [mm] "SON, 10-Leads, Body 3x3mm, Pitch 0.5mm, Thermal Pad 2.4x1.65mm, TI Recommended"
  rrect36% 0.85x0.28 smd paste-0.025 mask+0.07: 1(-1.475,1) 2(-1.475,0.5) 3(-1.475,0) 4(-1.475,-0.5) 5(-1.475,-1) 6(1.475,-1) 7(1.475,-0.5) 8(1.475,0) 9(1.475,0.5) 10(1.475,1)
  rrect6% 0.28x0.8 smd paste-1 mask+0.07: 11(-0.25,-1.5) 11(-0.25,1.5) 11(0.25,-1.5) 11(0.25,1.5)
  rrect6% 1.65x2.4 smd paste-0.825 mask+0.07: 11(0,0)
  silkscreen extent -2.15,-1.7 1.7,1.7, body extent -1.55,-1.55 1.55,1.55, height 1
XDCR_BMI270 [mm]
  rect 0.475x0.25 smd: 1(-1.162,0.75) 2(-1.162,0.25) 3(-1.162,-0.25) 4(-1.162,-0.75) 8(1.162,-0.75) 9(1.162,-0.25) 10(1.162,0.25) 11(1.162,0.75)
  rect 0.25x0.475 smd: 5(-0.5,-0.913) 6(0,-0.913) 7(0.5,-0.913) 12(0.5,0.913) 13(0,0.913) 14(-0.5,0.913)
  silkscreen extent -2.07,-1.25 1.5,1.25, body extent -1.5,-1.25 1.5,1.25, height 0.87

## Part data
B1 B2 B3 B4: library part DTSM-32N-V, "SWITCH TACTILE SMT 3.5mm * 6mm , brown 160gf", Manufacturer 1=Diptronics, Manufacturer Part Number 1=DTSM-32N-V-T/R, Max Operating Temperature=80°C, Min Operating Temperature=-30°C, Supplier Part Number 1=113-DTSM32NVTR, ComponentLink1Description=https://datasheet.ciiva.com/29188/708548-da-01-en-tastschalter-smd-dtsm-32n-v-tr-1600st-29188823.pdf?src-supplier=Conrad, ComponentLink1URL=https://datasheet.ciiva.com/29188/708548-da-01-en-tastschalter-smd-dtsm-32n-v-tr-1600st-29188823.pdf?src-supplier=Conrad, Height=5mm, Length=6mm, Pricing 1="1=0.38000, 10=0.38000, 50=0.31000, 100=0.28200, 500=0.25600, 1000=0.23600, 1600=0.20900, 4800=0.18800, 9600=0.17300, 10000=0.17300, 24000=0.16100 (USD)", Stock 1=3199, Supplier 1=Mouser, Width=3.5mm
  B1: RoHS=Yes
  B2 B3 B4: RoHS=No